# Altium PCB PCB.PcbDoc (continued)
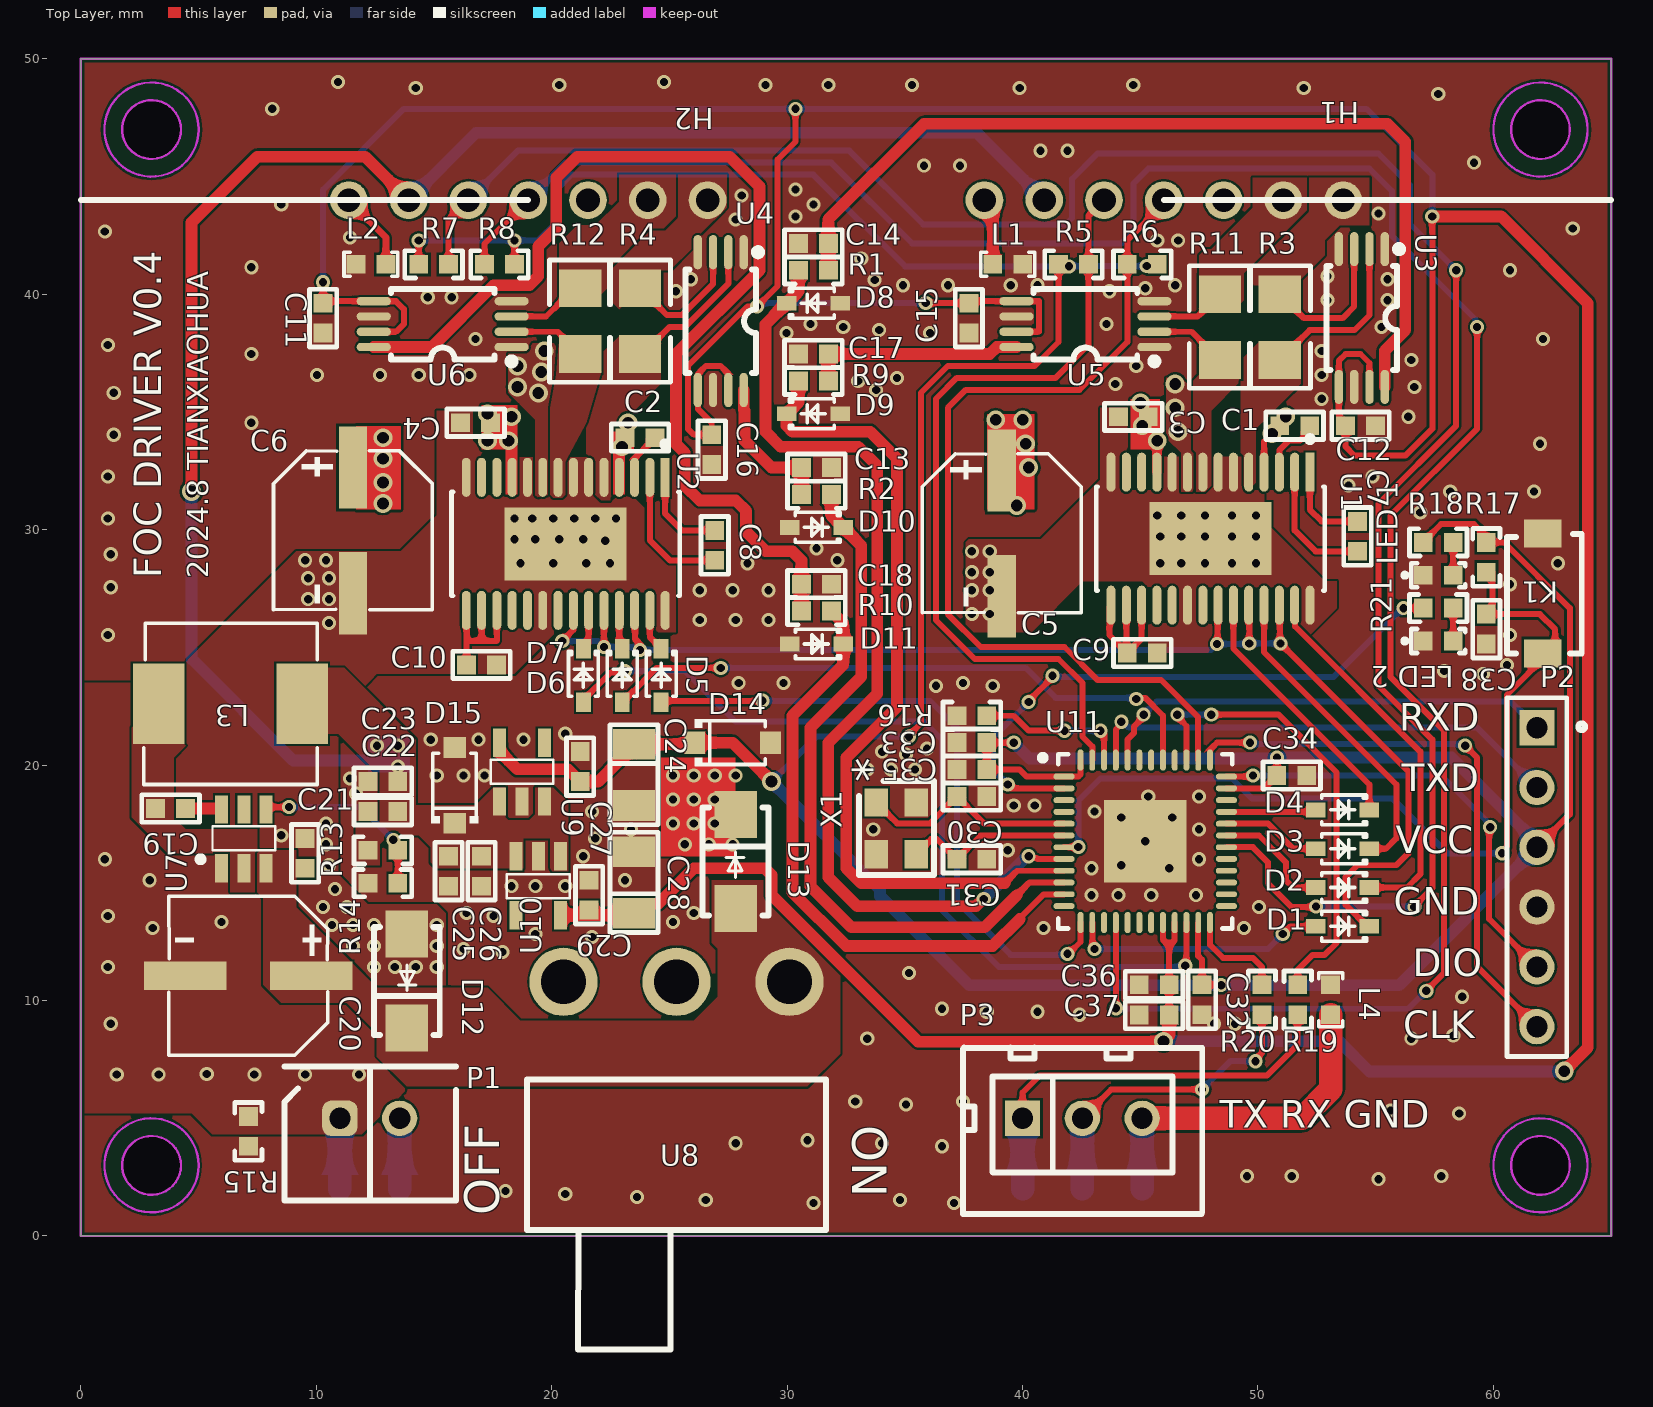
[diagram p0: Top Layer view]
## Nets (pads, with @x,y where several pads share a name; then routed paths per layer and width w, separated by ;. In a path a pad name is that pad's centre, name@x,y a point inside that pad or via, vN(x,y) a via of type N, cw(c..) or ccw(c..) an arc to the next point about the centre after c; other vN are vias at no path point)
3.3V: C24.1 C27.1 C32.2 C33.2 C34.2 C35.2 D14.1 P2.3 R5.2 R6.2 R7.2 R8.2 R17.2 R18.2 U9.5 U11.1 U11.23 U11.35 U11.48 | length 178.1
  Top Layer w0.254: R7.2 v1(14.351,42.291) ; R8.2 v1(18.415,42.291) ; v1(35.179,21.209) 35.179,21.277 35.687,21.785 35.687,35.814 36.83,36.957 40.513,36.957 41.529,37.973 R5.2 41.616,41.188 v1(41.972,41.188) ; v1(39.624,20.955) C33.2 C35.2 39.878,19.812 40.176,19.514 U11.1 42.374,19.514 42.462,19.602 U11.48 ; v1(45.277,41.204) 45.649,41.204 R6.2 ; U11.23 47.462,11.902 47.625,11.739 C32.2 48.421,10.668 v1(48.436,10.653) ; U11.35 48.672,19.004 50.246,19.004 C34.2 v1@50.8,20.32 ; R18.2 57.023,29.482 57.785,30.244 59.174,30.244 59.681,29.737 59.954,29.464 60.452,29.464 63.246,26.67 63.246,17.907 P2.3
  Top Layer w0.5: U9.5 17.81,20.93 17.81,20.548 18.536,19.822 20.691,19.822 C27.1 21.971,19.304 23.495,20.828 C24.1 26.012,20.892 D14.1 27.686,20.955 v2(29.337,19.304)
  Bottom Layer w0.254: v1(14.351,42.291) v1(18.415,42.291) 19.431,42.291 20.193,43.053 20.193,44.45 20.828,45.085 31.115,45.085 35.012,41.188 v1(41.972,41.188) ; v2(29.337,19.304) 31.242,21.209 v1(35.179,21.209) ; v1@42.092,41.188 42.1,41.196 45.269,41.196 v1(45.277,41.204)
  Bottom Layer w0.5: v2(29.337,19.304) 33.945,14.696 33.945,14.442 37.734,10.653 v1(48.436,10.653) 55.992,10.653 P2.3 61.849,16.705 58.231,20.323 v1(50.806,20.323) 50.761,20.278 40.301,20.278 v1(39.624,20.955)
5V: C22.2 C23.2 C25.2 C26.2 D15.1 H1.6 H2.6 L3.2 R13.2 U9.1 U9.3 U10.1 U10.3 | length 68.8
  Top Layer w0.5: v2(4.699,31.623) 4.699,43.053 7.493,45.847 12.073,45.847 H2.6
  Bottom Layer w0.5: v2(4.699,31.623) 4.699,24.511 9.017,20.193 12.7,20.193 ; H2.6 16.783,46.863 38.057,46.863 H1.6
  other v1: 13.462,19.939 12.573,20.828 13.462,20.828
ADC1_IN1: D8.1 R1.1 U11.8 | length 42.6
  Top Layer w0.254: v1(40.259,16.129) 40.325,16.063 40.591,16.063 40.64,16.014 U11.8
  Top Layer w0.5: R1.1 30.48,40.129 D8.1 29.083,38.732 29.083,34.163 29.718,33.528 33.02,33.528 33.83,32.718 33.83,23.035 31.75,20.955 31.75,15.24 32.987,14.003 38.021,14.003 38.327,14.309 v1(38.354,14.309)
  Bottom Layer w0.5: v1(38.354,14.309) 40.155,16.11 40.24,16.11 v1(40.259,16.129)
ADC1_IN2: D9.1 R9.1 U11.9 | length 35.4
  Top Layer w0.254: 39.243,14.986 39.771,15.514 U11.9
  Top Layer w0.5: R9.1 30.48,35.43 D9.1 29.975,34.414 30.226,34.163 33.528,34.163 34.671,33.02 34.671,22.479 32.512,20.32 32.512,15.621 33.147,14.986 39.243,14.986
ADC1_IN3: D10.1 R2.1 U11.10 | length 30.3
  Top Layer w0.254: 39.751,14.478 40.287,15.014 U11.10
  Top Layer w0.5: R2.1 31.877,30.604 D10.1 33.152,29.329 33.152,23.754 30.988,21.59 30.988,14.859 32.733,13.114 38.387,13.114 39.751,14.478
ADC1_IN4: D11.1 R10.1 U11.11 | length 26.5
  Top Layer w0.254: 39.878,13.462 39.878,13.498 40.894,14.514 U11.11
  Top Layer w0.5: R10.1 32.385,26.035 D11.1 32.385,24.257 30.226,22.098 30.226,14.605 32.512,12.319 38.735,12.319 39.878,13.462
AGND: "LED 1.2" "LED 2.2" C11.2 C12.2 C13.1 C14.1 C15.2 C16.2 C17.1 C18.1 C22.1 C23.1 C24.2 C25.1 C26.1 C27.2 C28.2 C29.2 C30.1 C31.1 C32.1 C33.1 C34.1 C35.1 C36.1 C37.1 C38.1 D8.2 D9.2 D10.2 D11.2 D14.2 D15.2 K1.2 L1.2 L2.2 L4.2 P2.4 R14.1 R15.1 R16.1 U3.1 U3.4 U3.6 U4.1 U4.4 U4.6 U5.1 U5.4 U5.6 U6.1 U6.4 U6.6 U9.2 U10.2 U11.49 X1.2 X1.4
  other v1: 31.115,1.397 37.084,1.397 26.543,1.524 34.798,1.524 23.622,1.651 20.574,1.778 18.034,1.905 55.118,2.413 49.53,2.54 51.435,2.54 57.785,2.54 36.576,3.81 27.813,3.937 34.036,3.937 30.861,4.064 58.547,5.207 55.626,5.334 35.052,5.588 32.893,5.715 37.465,5.715 33.401,8.382 56.515,8.382 58.293,8.509 48.133,9.017 49.022,9.017 42.418,9.398 38.481,9.525 40.64,9.525 36.576,9.652 58.674,10.16 35.179,11.176 17.907,12.065 16.256,12.192 21.717,12.7 19.304,12.827 40.894,13.081 49.403,13.081 25.146,13.335 17.526,13.589 16.383,13.716 26.035,13.716 50.038,13.97 42.926,14.478 44.069,14.478 45.466,14.478 47.371,14.478 18.288,14.859 19.304,14.859 20.574,14.859 23.114,15.113 42.926,15.621 46.228,15.621 44.196,15.748 47.498,16.002 21.336,16.129 39.37,16.383 45.212,16.764 21.844,16.891 23.368,17.272 33.655,17.272 47.498,17.272 44.196,17.78 46.355,17.78 21.717,18.034 43.053,18.034 39.624,18.288 40.513,18.288 45.339,18.669 47.498,18.669 11.684,18.796 11.43,19.431 15.113,19.558 16.256,19.558 17.145,19.558 33.401,19.812 34.417,19.812 35.433,19.812 35.052,20.447 34.036,20.574 35.941,20.701 14.859,21.082 16.891,21.082 18.796,21.082 20.574,21.336 36.322,23.368 38.735,23.368 27.94,23.495 29.845,23.495 37.465,23.495 59.563,23.876 57.912,24.003 60.579,24.257 1.143,25.527 60.706,25.527 26.289,26.162 27.813,26.162 29.21,26.162 26.289,27.432 27.686,27.432 29.21,27.432 1.27,27.559 60.706,27.686 28.321,28.575 62.738,28.575 32.131,28.702 1.27,28.956 31.242,29.21 1.143,30.48 56.896,30.734 58.166,31.623 61.722,31.623 53.848,31.877 1.143,32.258 54.864,32.258 61.976,33.655 1.397,34.036 7.239,34.544 56.388,34.798 52.705,35.56 1.397,35.814 33.782,35.941 56.642,36.068 43.942,36.195 33.02,36.322 34.671,36.449 10.033,36.576 12.7,36.576 14.351,36.576 16.51,36.576 52.705,36.576 44.831,36.957 56.515,37.211 7.239,37.465 52.705,37.592 1.143,37.846 16.764,38.1 62.103,38.1 29.972,38.354 36.068,38.354 33.909,38.481 32.385,38.608 55.245,38.608 30.988,38.735 43.561,38.735 52.959,39.751 55.499,39.751 14.732,39.878 15.748,39.878 25.273,40.132 43.688,40.132 45.212,40.259 34.925,40.386 36.83,40.386 39.497,40.386 40.64,40.386 46.482,40.386 33.717,40.613 25.908,40.64 55.499,40.64 52.959,40.767 60.706,41.021 7.239,41.148 33.147,41.529 45.72,42.291 46.609,42.291 11.43,42.418 1.016,42.672 63.373,42.799 27.813,43.18 30.353,43.307 55.118,43.434 8.509,43.815 31.115,43.815 28.067,44.196 30.353,44.45 35.814,45.466 37.338,45.466 59.182,45.593 40.767,46.101 41.91,46.101 8.128,47.879 57.658,48.514 14.224,48.768 39.878,48.768 51.943,48.768 20.32,48.895 29.083,48.895 31.75,48.895 35.306,48.895 44.704,48.895 10.922,49.022 24.765,49.022
BOOT0: R16.2 U11.46 | length 6.4
  Top Layer w0.254: R16.2 39.624,22.098 40.259,21.463 v1(41.783,21.463) ; v1(43.307,21.463) 43.307,21.369 43.462,21.214 U11.46
  Bottom Layer w0.254: v1(41.783,21.463) v1(43.307,21.463)
DRV_EN: D1.2 U11.14 | length 11
  Top Layer w0.254: U11.14 42.962,12.283 v1(43.053,12.192) ; v1(51.054,12.827) 51.381,13.154 D1.2
  Bottom Layer w0.254: v1(43.053,12.192) 50.419,12.192 v1(51.054,12.827)
HSE_I: C30.2 U11.5 X1.1 | length 9.3
  Top Layer w0.254: X1.1 34.671,17.526 36.068,17.526 C30.2 38.366,17.514 U11.5
HSE_O: C31.2 U11.6 X1.3 | length 7.3
  Top Layer w0.254: X1.3 36.158,16.891 36.322,16.891 C31.2 38.223,17.014 U11.6
I2C1_SCL: H1.4 R6.1 U11.38 | length 38.5
  Top Layer w0.254: H1.4 46,43.841 44.45,42.291 R6.1 44.45,37.973 42.418,35.941 37.592,35.941 36.83,35.179 36.83,26.416 38.227,25.019 41.783,25.019 43.18,23.622 45.879,23.622 47.462,22.039 U11.38
I2C1_SDA: H1.5 R5.1 U11.47 | length 34
  Top Layer w0.254: U11.47 42.962,20.792 42.545,21.209 42.545,23.495 41.529,24.511 37.973,24.511 36.322,26.162 36.322,35.56 37.211,36.449 41.402,36.449 42.799,37.846 R5.1 42.799,43.339 H1.5
I2C2_SCL: H2.4 R8.1 U11.16 | length 100.6
  Top Layer w0.254: R8.1 17.145,42.145 H2.4 ; v1(43.961,9.671) U11.16 ; v1(57.15,10.414) 57.912,11.176 57.912,21.463 55.626,23.749 55.626,30.607 59.309,34.29 v1(59.309,38.608)
  Bottom Layer w0.254: H2.4 19,44.019 20.574,45.593 31.877,45.593 35.306,42.164 44.196,42.164 44.717,42.685 44.717,44.717 45.339,45.339 54.737,45.339 55.689,44.386 55.689,42.481 59.243,38.928 59.243,38.674 v1(59.309,38.608) ; v1(43.961,9.671) 43.981,9.652 56.388,9.652 v1(57.15,10.414)
I2C2_SDA: H2.5 R7.1 U11.30 | length 91.7
  Top Layer w0.254: R7.1 15.621,43.161 H2.5 ; U11.30 49.78,16.514 50.419,15.875 50.419,14.986 51.435,13.97 v1@52.451,13.97 ; v1(56.642,13.97) 56.642,14.012 57.404,14.774 57.404,21.082 55.118,23.368 55.118,31.115 58.42,34.417 v1(58.42,41.021)
  Bottom Layer w0.254: H2.5 18.561,46.101 32.639,46.101 35.769,42.971 41.828,42.971 42.1,43.243 42.1,44.895 43.18,45.974 55.118,45.974 56.456,44.636 56.456,42.985 v1(58.42,41.021) ; v1(52.464,13.991) 56.621,13.991 v1(56.642,13.97)
LED0: R21.2 U11.2 | length 25.4
  Top Layer w0.254: v1(39.37,19.177) 39.533,19.014 U11.2 ; v1(40.259,22.682) 40.259,22.73 41.275,23.746 v1(41.275,23.795) ; v1(56.18,26.67) R21.2
  Bottom Layer w0.254: v1(39.37,19.177) 38.735,19.812 38.735,21.158 v1(40.259,22.682) ; v1(41.275,23.795) 41.321,23.749 53.213,23.749 56.134,26.67 v1(56.18,26.67)
M1_CS1: R3.2 U1.5 U3.2 | length 7.5
  Top Layer w0.254: R3.2 51.027,37.208 51.7,37.881 51.7,37.984 52.197,38.481 54.102,38.481 54.737,39.116 U3.2
M1_CS2: R11.2 U1.8 U5.2 | length 3.3
  Top Layer w0.254: U5.2 47.185,38.41 R11.2
M1_CS3: H1.3 U1.9
  other v2: 46.609,34.163 46.482,35.179 46.482,36.195
M1_IN1: D2.1 U1.27 | length 16
  Top Layer w0.254: U1.27 51.581,26.773 51.581,25.889 56.896,20.574 56.896,15.367 56.331,14.802 D2.1
M1_IN2: D3.1 U1.25 | length 13.6
  Top Layer w0.254: U1.25 50.257,24.8 55.88,19.177 55.88,16.891 55.439,16.45 D3.1
M1_IN3: D4.1 U1.23 | length 11.1
  Top Layer w0.254: U1.23 48.957,24.957 54.734,19.18 D4.1
M2_CS1: R4.2 U2.5 U4.2 | length 6.3
  Top Layer w0.254: R4.2 23.849,37.462 24.995,38.608 25.654,38.608 27.503,40.457 U4.2
M2_CS2: R12.2 U2.8 U6.2 | length 3.3
  Top Layer w0.254: U6.2 20.261,38.41 R12.2
M2_CS3: H2.3 U2.9
  other v2: 19.431,35.814 18.542,36.068 19.558,36.703 18.542,36.957 19.685,37.592
M2_IN1: D5.1 U2.27 | length 1.8
  Top Layer w0.254: U2.27 24.169,25.431 D5.1
M2_IN2: D6.1 U2.25 | length 1.7
  Top Layer w0.254: U2.25 22.869,25.08 D6.1
M2_IN3: D7.1 U2.23 | length 1.7
  Top Layer w0.254: D7.1 21.569,25.175 U2.23
M_EN: D1.1 U1.22 U1.24 U1.26 U2.22 U2.24 U2.26 | length 57.2
  Top Layer w0.254: v1(20.447,25.273) 20.919,25.745 U2.22 ; v1@22.219,25.025 U2.24 ; U2.26 23.541,26.553 23.541,25.354 v1@23.749,25.146 ; v1(48.26,25.146) 48.284,25.17 48.284,26.773 U1.22 ; U1.24 49.631,26.773 v1(49.631,25.172) v1@49.657,25.146 ; U1.26 50.93,26.774 50.93,25.195 v1(50.953,25.172) 51.994,24.13 56.388,19.736 56.388,16.256 55.88,15.748 54.229,15.748 53.721,15.24 53.721,14.068 54.446,13.343 54.634,13.155 D1.1
  Bottom Layer w0.254: v1(20.447,25.273) 21.971,25.273 v1(22.225,25.019) 23.622,25.019 v1(23.749,24.892) 48.006,24.892 v1(48.26,25.146) 49.657,25.146 49.683,25.172 v1(50.953,25.172)
M_PWR: C1.2 C2.2 C3.1 C4.1 C5.1 C6.1 D13.1 U1.4 U1.11 U2.4 U2.11 | length 6.4
  Top Layer w0.254: C5.1@39.497,32.893 39.497,31.126 39.589,31.034 v2(39.751,31.034) ; v2(45.012,35.379) 45.066,35.325 45.066,35.071 C3.1 ; U1.4 50.257,33.747 C1.2
  Top Layer w0.4: U1.11 45.707,33.769 v2(45.72,33.782)
  other v1: 25.654,16.637 26.67,16.637 27.686,16.637 25.146,17.526 26.035,17.526 26.924,17.526 25.146,18.542 26.035,18.542 26.924,18.542 25.146,19.558 26.035,19.558 26.924,19.558 27.813,19.558
  other v2: 12.827,31.115 12.827,32.004 40.259,32.639 12.827,33.02 22.987,33.528 40.132,33.655 17.272,33.782 18.161,33.782 12.827,33.909 50.592,34.082 45.085,34.417 23.241,34.544 38.862,34.671 40.005,34.671 18.288,34.798 51.181,34.798 17.272,34.925
Net12V_0: 12V.0 P1.2 U8.2 | length 3
  Bottom Layer w1: 12V.0 P1.2
NetC1_1: C1.1 U1.3 | length 2.8
  Top Layer w0.254: U1.3 50.907,33.381 51.308,33.782 51.775,33.782 51.924,33.931 51.924,34.144 C1.1
NetC2_1: C2.1 U2.3 | length 2
  Top Layer w0.254: U2.3 23.519,33.044 C2.1
NetC7_1: C7.1 U1.2 | length 5.5
  Top Layer w0.254: U1.2 51.557,29.977 52.451,29.083 C7.1
NetC7_2: C7.2 U1.1 | length 3.8
  Top Layer w0.254: U1.1 52.207,30.851 52.705,30.353 C7.2
NetC8_1: C8.1 U2.2 | length 5.8
  Top Layer w0.254: U2.2 24.169,29.552 25.019,28.702 C8.1
NetC8_2: C8.2 U2.1 | length 3.9
  Top Layer w0.254: U2.1 24.819,30.68 25.527,29.972 C8.2
NetC13_2: C13.2 R2.2 U4.8 | length 6.2
  Top Layer w0.5: U4.8 28.153,35.093 28.194,35.052 28.194,33.782 29.337,32.639 C13.2 R2.2
NetC14_2: C14.2 R1.2 U3.8 | length 39.4
  Top Layer w0.5: R1.2 C14.2 31.75,43.18 35.814,47.244 55.499,47.244 56.261,46.482 56.261,38.481 55.387,37.607 U3.8
NetC17_2: C17.2 R9.2 U5.8 | length 9.3
  Top Layer w0.5: R9.2 C17.2 38.608,37.465 38.903,37.76 U5.8
NetC18_2: C18.2 R10.2 U6.8 | length 45.6
  Top Layer w0.5: U6.8 14.9,37.76 17.526,40.386 19.05,40.386 19.431,40.767 19.431,42.037 20.193,42.799 20.193,44.958 21.082,45.847 27.559,45.847 28.829,44.577 28.829,41.021 25.273,37.465 25.273,33.655 25.654,33.274 25.654,31.877 26.289,31.242 27.813,31.242 28.258,30.797 28.258,29.909 29.083,29.083 30.226,29.083 30.607,28.702 C18.2 R10.2
NetC19_1: C19.1 U7.6
NetC19_2: C19.2 L3.1 U7.2
NetGND_0: GND.0 L4.1 P3.3 | length 14.7
  Top Layer w1: P3.3 51.863,5 53.086,6.223 L4.1
  Bottom Layer w1: GND.0 P3.3
NetH1_7: H1.7 L1.1 | length 2.9
  Top Layer w0.5: H1.7 38.735,43.645 L1.1
NetH2_7: H2.7 L2.1 | length 3.4
  Top Layer w0.3: H2.7 11.38,43.992 12.954,42.418 L2.1
"NetLED 1_1": "LED 1.1" R18.1 | length 1.4
  Top Layer w0.254: 58.293,28.067 R18.1
"NetLED 2_1": "LED 2.1" R21.1 | length 1.4
  Top Layer w0.254: 58.293,25.273 R21.1
NetP3_1: P3.1 R19.2 TX.0 | length 17.9
  Top Layer w0.254: P3.1 40,6.091 40.721,6.812 50.373,6.812 51.689,8.128 R19.2
  Bottom Layer w1: TX.0 P3.1
NetP3_2: P3.2 R20.2 RX.0 | length 13.4
  Top Layer w0.254: P3.2 43.763,6.223 v1(47.625,6.223) ; v1(49.9,7.424) 49.9,7.517 50.165,7.782 R20.2
  Bottom Layer w0.254: v1(47.625,6.223) 48.826,7.424 v1(49.9,7.424)
  Bottom Layer w1: RX.0 P3.2
NetR13_1: R13.1 R14.2 U7.4 | length 7.9
  Top Layer w0.254: U7.4 7.967,18.219 v1(8.834,18.219) ; v1(13.271,16.828) 13.271,16.573 R13.1 R14.2
  Bottom Layer w0.254: v1(8.834,18.219) 11.88,18.219 v1(13.271,16.828)
NRST: C38.2 K1.1 R17.1 U11.7 | length 37.6
  Top Layer w0.254: U11.7 U11.7 42.363,16.516 v1(42.37,16.523) ; R17.1@59.954,28.194 59.954,26.416 61.976,26.416 62.621,25.771 62.621,24.705 62.297,24.705 60.579,22.987 60.579,16.558 60.371,16.35 v1(60.371,16.256)
  Bottom Layer w0.254: v1(42.37,16.523) 42.37,18.494 43.307,19.431 48.895,19.431 49.738,18.588 55.707,18.588 58.039,16.256 v1(60.371,16.256)
OUT1: H1.1 R3.1 U3.3 | length 6.2
  Top Layer w0.254: R3.1 51.946,38.989 53.594,38.989 54.087,39.482 U3.3
OUT2: H1.2 R11.1 U5.3 | length 3.2
  Top Layer w0.254: U5.3 47.439,39.06 R11.1
OUT3: H2.1 R4.1 U4.3 | length 5.5
  Top Layer w0.254: R4.1 24.895,39.116 25.527,39.116 26.853,40.442 U4.3
OUT4: H2.2 R12.1 U6.3 | length 3.4
  Top Layer w0.254: U6.3 19.756,39.06 20.958,40.262 R12.1
PGND: C3.2 C4.2 C5.2 C6.2 C9.2 C10.2 C20.2 C21.1 D12.2 P1.1 PGND.0 R15.2 U1.6 U1.7 U1.10 U1.14 U1.20 U1.28 U1.29 U2.6 U2.7 U2.10 U2.14 U2.20 U2.28 U2.29 U7.1 | length 3
  Bottom Layer w1: PGND.0 P1.1
  other v1: 1.524,6.858 3.302,6.858 7.366,6.858 9.525,6.858 11.811,6.858 5.346,6.885 1.27,9.017 1.143,11.43 12.446,11.43 13.335,11.43 14.224,11.43 15.113,11.43 11.557,12.319 12.446,12.319 15.113,12.319 3.048,13.081 10.668,13.208 11.557,13.208 12.446,13.208 15.113,13.208 5.969,13.335 1.143,13.589 10.287,13.97 11.303,13.97 10.795,14.732 2.921,15.113 10.541,15.748 1.016,16.002 10.414,16.637 8.509,17.018 10.414,17.526 10.541,26.035 37.846,26.416 38.608,26.416 9.652,27.051 10.541,27.051 37.846,27.432 38.608,27.432 9.652,27.94 10.541,27.94 37.846,28.194 38.608,28.194 18.669,28.575 20.066,28.575 21.463,28.575 22.479,28.575 9.525,28.702 10.414,28.702 37.846,29.083 38.608,29.083 22.278,29.537 18.415,29.591 19.304,29.591 20.32,29.591 21.336,29.591 18.415,30.48 19.177,30.48 20.066,30.48 20.955,30.48 21.844,30.48 22.733,30.48
  other v3: 45.847,28.575 46.736,28.575 47.752,28.575 48.895,28.575 49.911,28.575 45.847,29.718 46.736,29.718 47.752,29.718 48.895,29.718 49.911,29.718 45.72,30.607 46.736,30.607 47.752,30.607 48.895,30.607 49.911,30.607
PWM1_CH2: D2.2 U11.31 | length 5.2
  Top Layer w0.254: U11.31 50.042,17.014 51.181,15.875 51.181,15.113 51.492,14.802 D2.2
PWM1_CH3: D3.2 U11.32 | length 4.2
  Top Layer w0.254: U11.32 50.431,17.514 51.495,16.45 D3.2
PWM1_CH4: D4.2 U11.33 | length 3.8
  Top Layer w0.254: U11.33 52.371,18.014 D4.2
PWM2_CH1: D5.2 U11.13 | length 27.7
  Top Layer w0.254: D5.2 24.709,22.733 v1(28.956,22.733) ; v1(41.91,11.984) 41.956,11.984 42.462,12.49 U11.13
  Bottom Layer w0.254: v1(28.956,22.733) 36.068,22.733 37.211,21.59 37.211,14.224 39.497,11.938 41.864,11.938 v1(41.91,11.984)
PWM2_CH2: D6.2 U11.41 | length 26.4
  Top Layer w0.254: D6.2 22.997,22.772 23.185,22.96 23.285,22.96 24.455,24.13 v1(27.178,24.13) ; v1(44.831,22.814) 44.877,22.86 45.212,22.86 45.962,22.11 U11.41
  Bottom Layer w0.254: v1(27.178,24.13) 40.132,24.13 41.402,22.86 44.785,22.86 v1(44.831,22.814)
PWM2_CH3: D7.2 U11.22 | length 37.5
  Top Layer w0.254: D7.2 21.346,22.772 22.511,23.937 23.048,23.937 v1(23.114,24.003) ; v1(46.912,11.479) 46.962,11.529 U11.22
  Bottom Layer w0.254: v1(23.114,24.003) 25.649,24.003 27.808,21.844 35.814,21.844 36.576,21.082 36.576,13.843 38.989,11.43 46.863,11.43 v1(46.912,11.479)
RXD1: P2.1 U11.44 | length 19.6
  Top Layer w0.254: U11.44 44.462,21.094 44.727,21.359 44.727,21.633 45.145,22.05 v1(45.145,22.144)
  Bottom Layer w0.254: v1(45.145,22.144) 45.699,22.698 60.741,22.698 P2.1
SWCLK: P2.6 U11.37 | length 24.7
  Top Layer w0.254: U11.37 47.962,20.657 48.26,20.955 v1(49.657,20.955) ; v1(58.801,20.828) 59.309,20.32 59.309,11.43 P2.6
  Bottom Layer w0.254: v1(49.657,20.955) 49.721,20.892 58.737,20.892 v1(58.801,20.828)
SWDIO: P2.5 U11.36 | length 19
  Top Layer w0.254: U11.36 48.664,19.516 49.742,19.516 v1(49.784,19.558) ; v1(59.863,17.365) 59.817,17.319 59.817,13.462 P2.5
  Bottom Layer w0.254: v1(49.784,19.558) 57.785,19.558 59.693,17.65 59.693,17.629 59.863,17.459 v1(59.863,17.365)
TXD1: P2.2 U11.45 | length 20.5
  Top Layer w0.254: U11.45 43.962,21.516 44.196,21.75 v1(44.196,21.844)
  Bottom Layer w0.254: v1(44.196,21.844) 44.264,21.844 44.518,21.59 59.309,21.59 P2.2
USART3_RX: R20.1 U11.24 | length 4.3
  Top Layer w0.254: U11.24 47.962,12.363 48.514,11.811 49.784,11.811 50.165,11.43 R20.1
USART3_TX: R19.1 U11.39 | length 19.9
  Top Layer w0.254: v1(46.574,22.144) 46.574,22.05 46.962,21.662 U11.39 ; v1(48.014,22.144) 50.881,22.144 53.34,19.685 53.34,12.446 52.832,11.938 52.324,11.938 51.689,11.303 R19.1
  Bottom Layer w0.254: v1(46.574,22.144) v1(48.014,22.144)
V3P3: C9.1 U1.15 U1.16 U1.17 | length 6.6
  Top Layer w0.254: U1.15 43.688,26.728 43.688,25.527 C9.1@44.407,24.808 ; U1.16 C9.1@44.407,24.808 ; U1.17 45.057,25.372 C9.1 C9.1@44.407,24.808
V3P32: C10.1 U2.15 U2.16 U2.17 | length 6.3
  Top Layer w0.254: U2.15 16.383,26.56 16.383,25.409 ; C10.1 16.383,25.409 ; U2.16 17.019,25.274 ; U2.17 17.669,25.289 17.654,25.274 17.019,25.274 ; 16.383,25.409 16.518,25.274 17.019,25.274
VDDA: C11.1 C12.1 C15.1 C16.1 C28.1 C29.1 C36.2 C37.2 U3.5 U3.7 U4.5 U4.7 U5.5 U5.7 U6.5 U6.7 U10.5 U11.20 U11.21 | length 212.5
  Top Layer w0.254: v1(10.287,40.513) C11.1 10.373,39.71 U6.5 13.376,39.71 13.716,39.37 13.716,38.735 13.391,38.41 U6.7 ; U4.7 27.503,36.632 27.178,36.957 26.543,36.957 26.203,36.617 U4.5 26.203,35.133 26.208,35.133 26.797,34.544 C16.1 26.035,34.036 25.781,34.29 25.781,36.957 28.287,39.463 28.707,39.463 v1(28.725,39.481) 29.591,40.347 29.591,45.72 30.353,46.482 v1(30.353,47.879) ; v1(35.888,39.631) 35.895,39.624 C15.1 ; C15.1@37.846,39.497 38.059,39.71 U5.5 40.701,39.71 40.701,38.41 U5.7 ; U11.20 45.962,12.585 46.228,12.319 ; C37.2 C36.2 46.228,12.319 ; U11.21 46.462,12.553 46.228,12.319 ; U3.7 54.737,37.084 54.356,37.465 53.721,37.465 53.437,37.181 U3.5 53.437,34.701 C12.1 53.721,33.528 54.102,33.147 56.261,33.147 57.404,34.29 v1(57.404,43.307)
  Top Layer w0.5: U10.5 21.59,13.629 23.495,13.629 23.982,14.116 24.53,14.116 26.035,15.621 29.044,15.621 29.337,15.328 29.337,14.478 35.56,8.255 v2@45.974,8.255 ; v2@46.228,8.509 C37.2 ; v1(57.404,43.307) 60.325,43.307 64.008,39.624 64.008,8.002 v2(63.007,7.001)
  Bottom Layer w0.254: v1(10.287,40.513) 10.287,44.45 13.716,47.879 v1(30.353,47.879) 54.61,47.879 57.404,45.085 v1(57.404,43.307) ; v1(28.725,39.481) 28.868,39.624 35.881,39.624 v1(35.888,39.631)
  Bottom Layer w0.5: v2(45.989,8.271) 53.451,8.271 54.737,6.985 v2@62.992,6.985
VDDP: C20.1 C21.2 D12.1 D13.2 U7.3 U8.3
pads on no net: U1.12 U1.13 U1.18 U1.19 U1.21 U2.12 U2.13 U2.18 U2.19 U2.21 U7.5 U8.1 U9.4 U10.4 U11.3 U11.4 U11.12 U11.15 U11.17 U11.18 U11.19 U11.25 U11.26 U11.27 U11.28 U11.29 U11.34 U11.40 U11.42 U11.43

## Polygon pours and split planes (outlines as drawn)
AGND on Bottom Layer "AGND_L02_P030" (solid, remove dead copper, pour order 30): 0,0 0,50 65,50 65,0
M_PWR on Bottom Layer "NONET_L-01_P-001" (solid, pour order 28): 29.718,18.923 24.511,24.13 15.875,24.13 14.224,25.781 8.763,25.781 8.763,28.956 10.422,30.615 13.724,30.615 13.97,30.861 13.97,34.29 10.16,34.29 5.461,29.591 5.461,24.638 8.128,21.971 20.828,21.971 23.495,19.304 24.384,19.304 24.384,17.272 25.908,15.748 29.845,15.748
PGND on Bottom Layer "NONET_L-01_P-001" (solid, remove dead copper, pour order 26): 10.795,18.669 15.494,13.97 15.494,7.874 11.557,3.937 11.557,0.381 0.127,0.381 0,0.508 0.127,0.635 0.127,18.669
Net12V_0 on Bottom Layer "NONET_L-01_P-001" (solid, pour order 0): 22.86,12.573 22.86,10.16 19.558,6.858 14.097,6.858 12.7,5.461 12.7,4.572 12.827,4.572 13.208,4.191 25.146,4.191 27.686,6.731 27.686,12.573
M2_CS3 on Bottom Layer "NONET_L-01_P-001" (solid, pour order 21): 22.86,45.085 22.86,37.846 20.32,35.306 18.669,35.306 18.034,35.941 18.161,36.068 18.161,39.243 20.574,41.656 20.574,45.085
PGND on Bottom Layer "NONET_L-01_P-001" (solid, pour order 24): 9.144,29.083 10.795,30.734 13.589,30.734 15.367,32.512 15.621,32.258 50.165,32.258 51.308,31.115 51.308,28.321 41.91,28.321 39.497,25.908 39.37,26.035 37.211,26.035 37.211,26.67 33.909,29.972 25.146,29.972 20.955,25.781 9.144,25.781
M1_CS3 on Bottom Layer "NONET_L-01_P-001" (solid, pour order 11): 47.371,45.085 47.371,38.608 45.593,36.83 45.72,36.703 45.72,34.036 46.101,33.655 46.99,33.655 49.53,36.195 49.53,45.085
M_PWR on Bottom Layer "NONET_L-01_P-001" (solid, pour order 22): 23.114,35.179 39.37,35.179 39.37,34.163 37.719,32.512 36.957,33.274 22.479,33.274
M_PWR on Bottom Layer "NONET_L-01_P-001" (solid, pour order 19): 11.43,34.417 15.494,34.417 16.256,35.179 24.765,35.179 25.019,34.925 25.019,34.036 24.257,34.036 22.733,32.512 15.367,32.512 13.716,30.861 11.176,30.861
M_PWR on Bottom Layer "NONET_L-01_P-001" (solid, pour order 12): 37.338,34.163 38.735,35.56 51.181,35.56 52.705,34.036 52.705,32.131 52.578,32.131 51.562,31.115 40.894,31.115 40.259,30.48 37.719,30.48 37.338,30.861
AGND on Top Layer "AGND_L01_P029" (solid, remove dead copper, pour order 29): 0.019,0.001 0.019,50.001 65.019,50.001 65.019,0.001
PGND on Top Layer "NONET_L-01_P-001" (solid, pour order 27): 9.398,29.083 9.144,29.083 3.556,23.495 0,23.495 0,5.207 4.699,5.207 5.588,4.318 11.938,4.318 15.494,7.874 15.494,13.716 15.113,14.097 12.192,14.097 10.922,15.367 10.922,22.225 12.827,24.13
PGND on Top Layer "NONET_L-01_P-001" (solid, pour order 23): 15.113,35.052 15.113,30.607 13.589,29.083 9.398,29.083 9.398,26.924 12.446,23.876 18.415,23.876 20.193,25.654 25.273,25.654 25.273,29.591 21.792,33.072 17.347,33.072 16.637,33.782 16.637,35.052
M2_CS1 on Top Layer "NONET_L-01_P-001" (solid, pour order 18): 22.86,38.227 21.463,36.83 21.463,31.877 22.098,31.242 22.479,31.242 22.479,31.369 22.606,31.496 22.606,34.163 24.638,36.195 24.638,36.957
M2_CS2 on Top Layer "NONET_L-01_P-001" (solid, pour order 16): 20.32,38.227 20.193,36.576 19.939,35.179 19.939,31.496 20.066,31.369 20.447,31.369 20.574,31.496 20.574,32.893 21.463,34.544 22.098,36.703 21.717,38.227
OUT3 on Top Layer "NONET_L-01_P-001" (solid, pour order 15): 25.273,45.085 25.273,43.307 24.765,42.799 24.13,42.799 22.479,41.148 22.479,39.751 22.86,39.37 23.116,39.626 24.386,39.626 24.386,40.769 24.638,41.021 25.019,41.021 26.035,42.037 26.035,42.545 26.289,42.545 27.432,43.688 27.432,45.085
PGND on Top Layer "NONET_L-01_P-001" (solid, pour order 13): 43.307,35.179 43.307,32.131 40.767,29.591 37.719,29.591 37.592,29.464 37.592,25.654 40.386,25.654 42.545,27.813 45.085,27.813 45.339,27.559 45.339,24.765 51.435,24.765 53.34,26.67 53.34,27.813 52.832,27.813 50.257,30.388 50.257,33.097 45.643,33.097 44.45,34.29 44.45,35.179
M1_CS2 on Top Layer "NONET_L-01_P-001" (solid, pour order 9): 49.276,37.973 49.276,36.322 48.006,35.052 48.006,31.877 47.752,31.623 47.371,31.623 47.371,33.274 47.244,33.401 47.244,36.322 47.498,36.576
M1_CS1 on Top Layer "NONET_L-01_P-001" (solid, pour order 8): 51.816,36.957 51.816,36.195 49.911,34.29 49.911,32.004 49.657,31.75 49.53,31.877 49.403,31.877 49.403,33.147 49.276,33.274 49.276,37.211 50.038,37.973
OUT1 on Top Layer "NONET_L-01_P-001" (solid, pour order 7): 52.07,44.958 54.737,44.958 54.737,42.926 53.467,42.926 52.832,42.291 52.832,41.656 51.562,40.386 49.657,40.386 49.784,40.513 49.784,41.402 52.07,43.688
VDDP on Top Layer "NONET_L-01_P-001" (solid, pour order 1): 26.797,15.113 26.797,12.446 27.051,12.192 27.051,10.16 26.035,9.144 18.669,9.144 17.272,10.541 12.573,10.541 9.144,13.97 9.144,16.383 7.62,16.383 7.493,16.256 7.493,14.605 7.747,14.351 7.747,10.668 8.509,9.906 11.303,9.906 12.573,8.636 12.573,7.62 13.843,6.35 30.861,6.35 32.258,7.747 32.258,12.7 29.845,15.113
5V on Top Layer "NONET_L-01_P-001" (solid, pour order 5): 13.462,17.018 14.351,17.018 14.859,16.51 14.859,15.875 15.113,15.621 18.796,15.621 18.796,16.891 19.939,16.891 19.939,15.621 19.812,15.621 19.939,15.494 20.701,15.494 20.701,18.415 20.066,19.05 19.304,19.05 19.304,17.907 19.05,17.653 18.161,17.653 18.034,17.78 18.034,19.05 17.526,19.05 16.764,18.288 13.843,18.288
5V on Top Layer "NONET_L-01_P-001" (solid, pour order 4): 9.398,24.13 11.176,24.13 14.224,21.082 14.224,17.399 13.843,17.018 13.081,17.018 12.7,16.637 12.7,15.748 11.811,15.748 11.684,15.875 11.684,17.526 12.7,17.526 12.7,19.558 10.922,21.336 9.525,21.336 9.398,21.463
M2_CS3 on Top Layer "NONET_L-01_P-001" (solid, pour order 20): 19.939,31.496 20.413,31.97 20.413,37.931 18.465,37.931 18.161,37.627 18.161,35.814 19.304,34.671 19.304,31.369
OUT4 on Top Layer "NONET_L-01_P-001" (solid, pour order 14): 22.86,45.085 22.86,43.942 21.844,42.926 21.082,42.926 20.32,42.164 20.32,40.767 21.336,40.767 22.098,40.005 22.479,40.386 22.479,41.148 24.13,42.799 24.765,42.799 25.273,43.307 25.273,45.085
M1_CS3 on Top Layer "NONET_L-01_P-001" (solid, pour order 10): 47.371,31.623 47.244,31.75 47.244,35.941 46.736,36.449 46.101,36.449 46.101,33.909 46.736,33.274 46.736,31.623
OUT2 on Top Layer "NONET_L-01_P-001" (solid, pour order 6): 49.784,44.958 49.784,43.688 48.006,41.91 47.752,41.91 47.498,41.656 47.498,40.513 48.387,40.513 49.276,39.624 49.403,39.751 49.403,40.894 52.07,43.561 52.07,44.958
NetC19_2 on Top Layer "NONET_L-01_P-001" (solid, pour order 2): 7.493,14.605 7.493,17.272 4.445,17.272 3.937,17.78 3.937,20.32 4.445,20.828 4.191,21.082 4.191,21.971 2.54,21.971 2.159,21.59 2.159,17.78 3.683,16.256 6.35,16.256 6.35,14.605

## Keep-outs
Keep-Out Layer:
  circle w0.1: c3,3 r2
  circle w0.1: c62,47 r1.25
  circle w0.1: c62,47 r2
  circle w0.1: c62,3 r1.25
  circle w0.1: c62,3 r2
  circle w0.1: c3,3 r1.25
  circle w0.1: c3,47 r1.25
  circle w0.1: c3,47 r2
  lines w0.1: 0,0 65,0 65,50 0,50 0,0

## Other copper
Top Layer:
  rectangle net M_PWR: 24.638,16.129 27.813,20.32
  rectangle net M_PWR: 22.733,33.401 23.495,34.163
  rectangle net M_PWR: 22.606,31.496 23.114,34.163
  rectangle net M_PWR: 17.018,33.401 18.542,35.306
  rectangle net M_PWR: 18.034,31.496 18.542,34.544
  rectangle net M_PWR: 11.684,30.861 13.589,34.417
  rectangle net M_PWR: 44.577,33.401 45.847,35.56
  rectangle net M_PWR: 38.481,30.861 40.513,34.925
  rectangle net NetC19_1: 4.445,17.907 5.969,18.415
Bottom Layer:
  rectangle net 5V: 12.192,19.685 13.97,21.209

## Silkscreen, mask and mechanical layers (free items; w line width, h text height)
Top Overlay:
  lines w0.254: 0,44 19,44 ; 46,44 65,44
  text "FOC DRIVER V0.4" at 3.789,27.94 h2 r90
  text "2024.8 TIANXIAOHUA" at 5.699,27.939 h1.52 r90
  text "RXD" at 56.007,21.082 h2
  text "TXD" at 56.108,18.504 h2
  text "VCC" at 55.849,15.885 h2
  text "GND" at 55.764,13.266 h2
  text "DIO" at 56.585,10.645 h2
  text "CLK" at 56.161,8.023 h2
  text "ON" at 32.287,4.699 h2.5 r270
  text "TX RX GND" at 48.387,4.215 h2
  text "OFF" at 18.259,0.889 h2.5 r90
Bottom Overlay:
  text "SCL" at 46.715,42.545 h2 r90
  text "OUTB" at 51.922,42.545 h2 r90
  text "OUTC" at 54.462,42.545 h2 r90
  text "SCL" at 19.41,42.418 h2 r90
  text "OUTB" at 24.617,42.418 h2 r90
  text "OUTC" at 27.157,42.418 h2 r90
  text "GND" at 39.222,42.418 h2 r90
  text "5V" at 41.762,42.418 h2 r90
  text "SDA" at 44.302,42.418 h2 r90
  text "GND" at 11.917,42.291 h2 r90
  text "5V" at 14.457,42.291 h2 r90
  text "SDA" at 16.997,42.291 h2 r90
  text "OUTA" at 49.382,42.291 h2 r90
  text "OUTA" at 22.077,42.164 h2 r90
  text "RXD" at 59.76,21.209 h2
  text "TXD" at 59.76,18.632 h2
  text "VCC" at 59.76,16.012 h2
  text "GND" at 59.76,13.391 h2
  text "8~12V" at 14.203,11.811 h2 r90
  text "GND" at 11.536,10.922 h2 r90
  text "DIO" at 59.76,10.77 h2
  text "CLK" at 59.76,8.15 h2
Top Solder:
  circle w1: c3,3 r1.5
  circle w1: c62,47 r1.5
  circle w1: c62,3 r1.5
  circle w1: c3,47 r1.5
Bottom Solder:
  circle w1: c3,3 r1.5
  circle w1: c62,47 r1.5
  circle w1: c62,3 r1.5
  circle w1: c3,47 r1.5

## Dimensions
3,4.5 to 0,0 on Mechanical 1
0,50 to 65,50 on Mechanical 1
0,0 to 0,50 on Mechanical 1

## Text inside footprints (layer, text, board x,y; h text height)
X1: Top Overlay "*" at 32.131,20.32 h1.52 r270